# Altium PCB cat.PcbDoc (part 2 of 3) (continued)
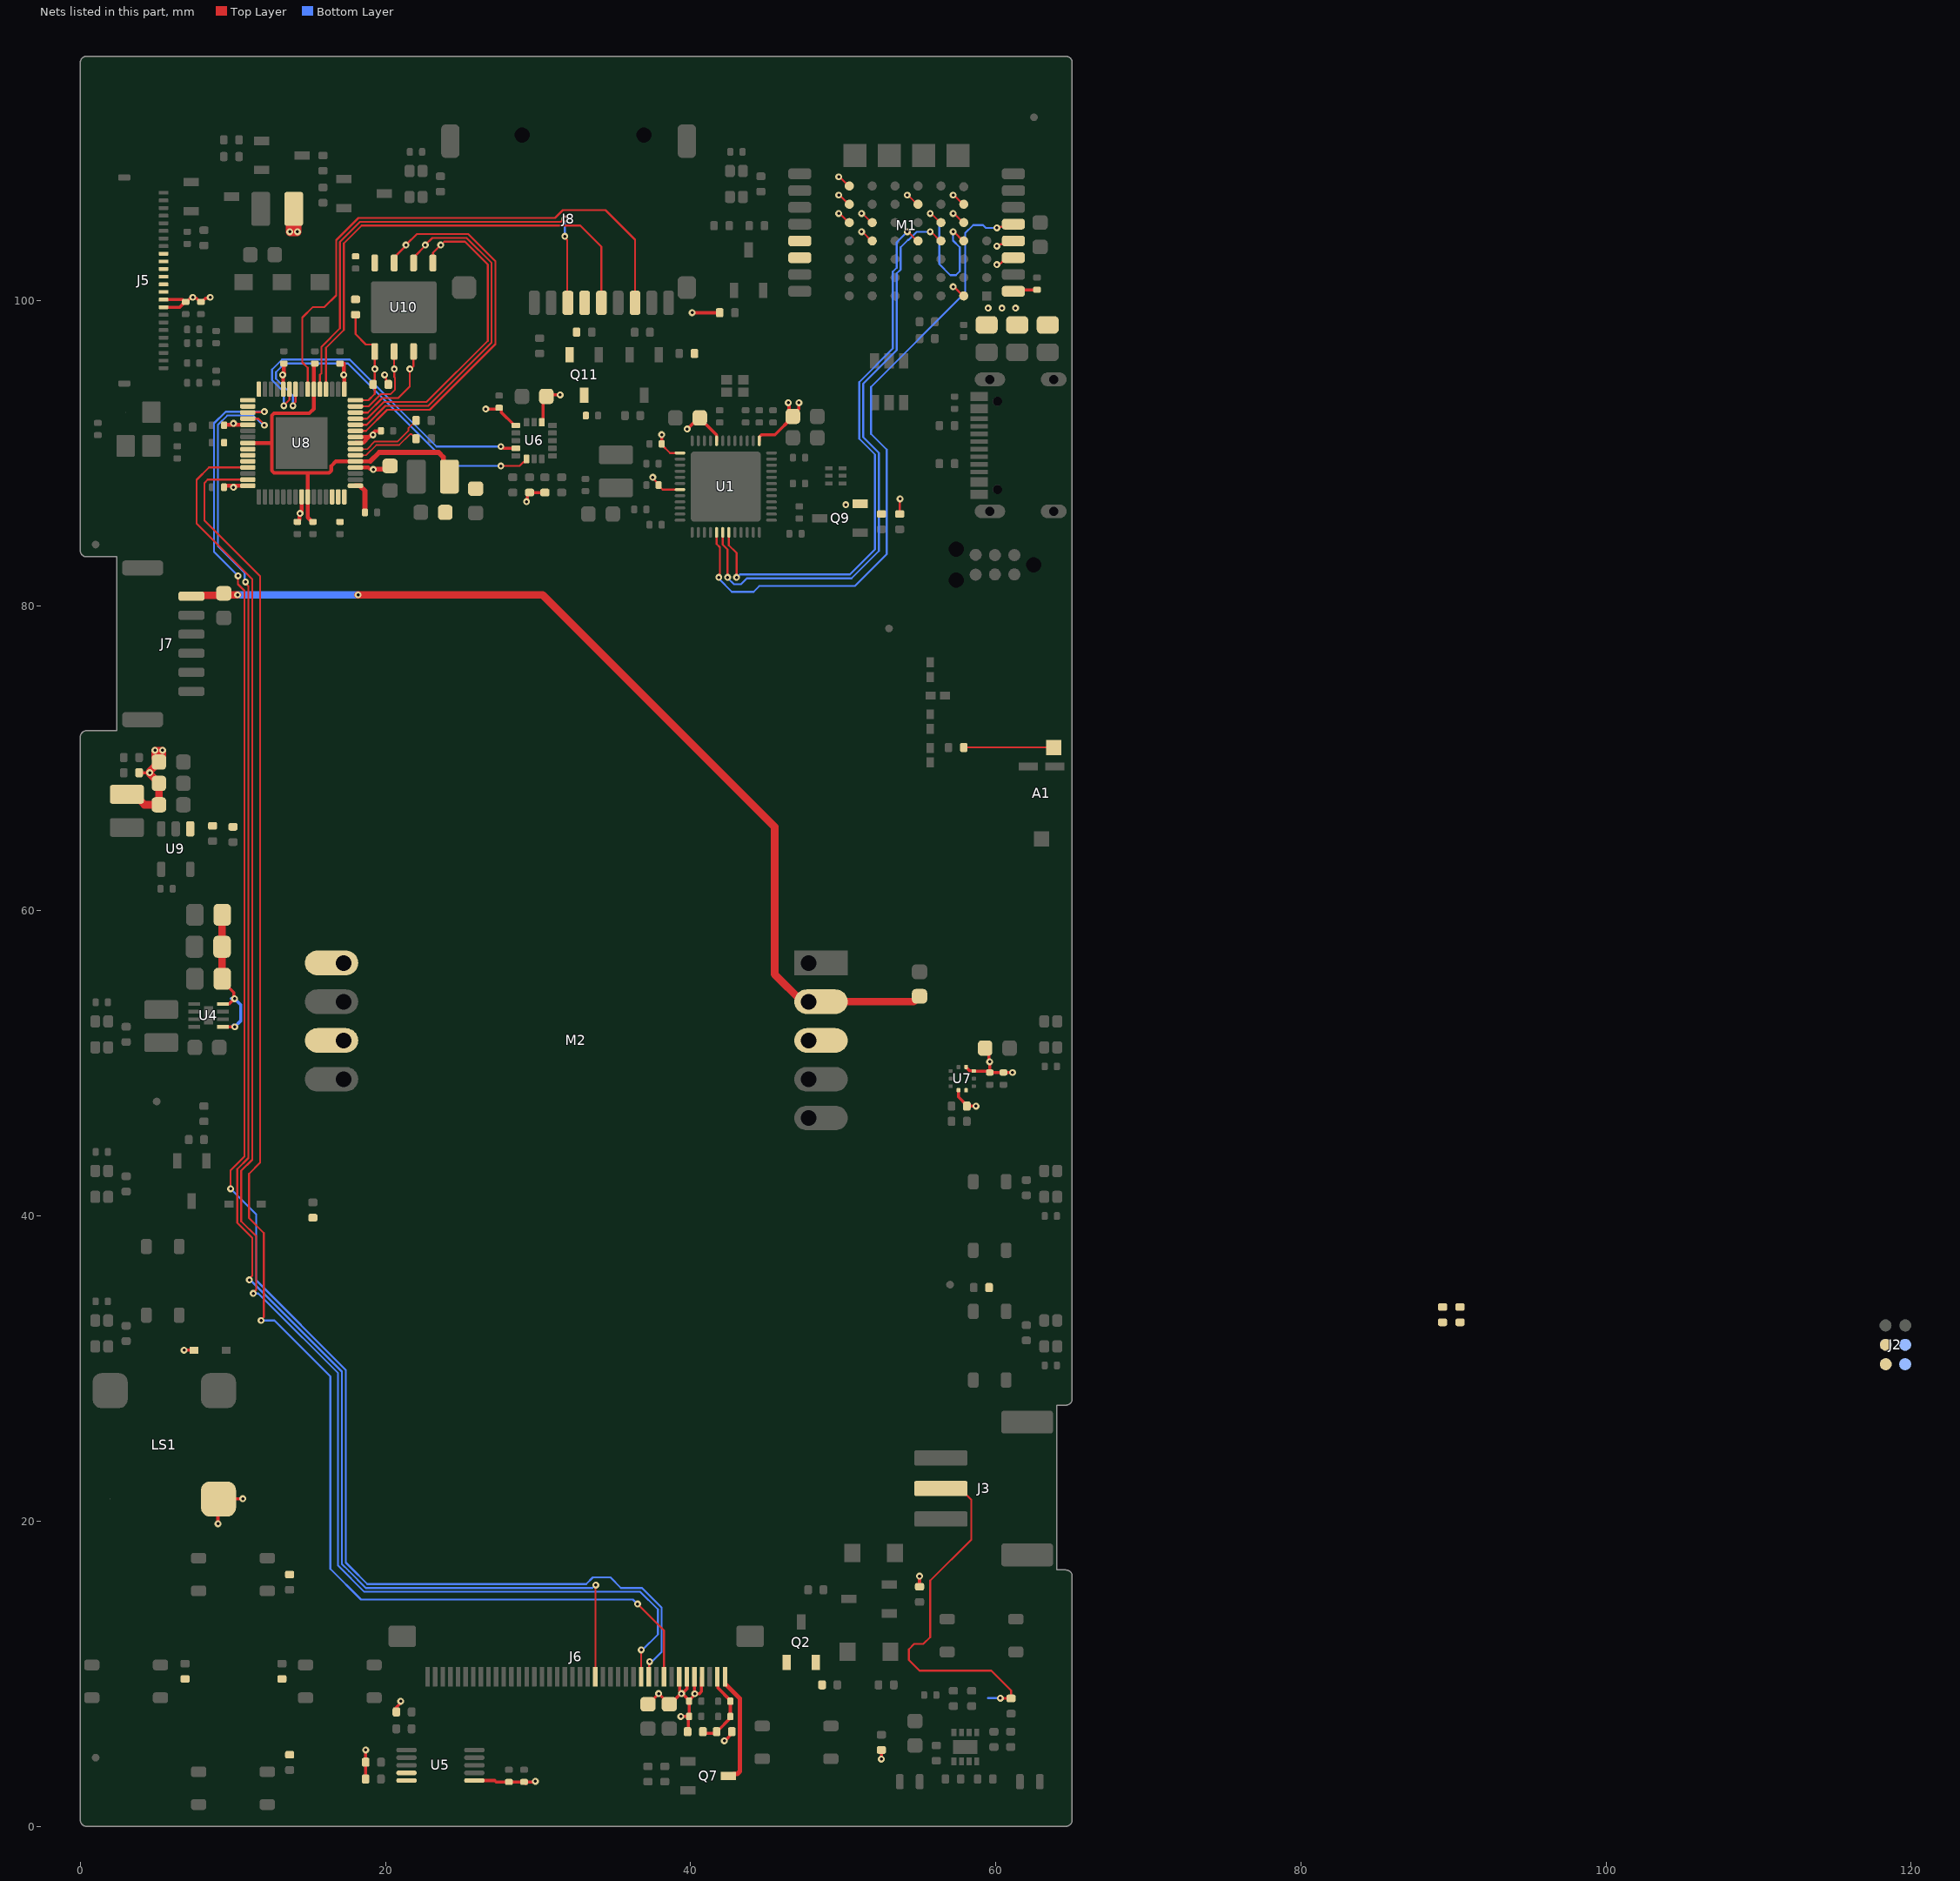
[diagram p4: the nets of this part, all layers, seen from the top]
## Part data (continued)
R43: "442 kΩ, 0402 Chip resistor", Case Code (Imperial)=0402, Case Code (Metric)=1005, Manufacturer=Yageo, Max Operating Temperature=155°C, Max Power Dissipation=63mW, Min Operating Temperature=-55°C, Package Quantity=1, Power Rating=62.5mW, Supplier Part Number 1=1075035, Temperature Coefficient=100ppm/°C, Tolerance=1%, Voltage Rating=50V, Case/Package=0402, Category="Chip SMD Resistors", ComponentLink1Description=https://datasheet.ciiva.com/2453/pyu-r-int-thick-7-2453668.pdf?src-supplier=Digikey, ComponentLink1URL=https://datasheet.ciiva.com/2453/pyu-r-int-thick-7-2453668.pdf?src-supplier=Digikey, ComponentLink2Description=https://datasheet.ciiva.com/2453/pyu-r-int-thick-7-2453667.pdf?src-supplier=Digikey, ComponentLink2URL=https://datasheet.ciiva.com/2453/pyu-r-int-thick-7-2453667.pdf?src-supplier=Digikey, ComponentLink3Description=https://datasheet.ciiva.com/2453/pyu-r-int-thick-7-2453669.pdf?src-supplier=Digikey, ComponentLink3URL=https://datasheet.ciiva.com/2453/pyu-r-int-thick-7-2453669.pdf?src-supplier=Digikey, ComponentLink4Description=https://datasheet.ciiva.com/8885/pyu-rc0402-51-rohs-l-6-8885693.pdf?src-supplier=Avnet, ComponentLink4URL=https://datasheet.ciiva.com/8885/pyu-rc0402-51-rohs-l-6-8885693.pdf?src-supplier=Avnet, Construction=Rectangular, Contact Plating=Tin,Lead, Depth=0.5mm, Features="Moisture Resistant", Height=0.016inch, house_part_number=R-442k-0402-1%-001, Length=1mm, Manufacturer Part Number=RC0402FR-07442KL, Military Standard=Not, Number of Terminations=2, Packaging="Tape and Reel", Pricing="10000=0.0012, 50000=0.0011, 250000=0.001, 500000=0.001, 1500000=0.0009 (USD)", RoHS=Yes, RoHS Compliant=Yes, Series=RC, Stock=40000, Supplier 1="Future Electronics", Termination=SMD/SMT, Voltage Rating (DC)=50V, Width=0.02inch
R55: "10 kΩ, 0402 Chip resistor", Case Code (Imperial)=0402, Case Code (Metric)=1005, Manufacturer="Stackpole Electronics", Max Operating Temperature=155°C, Max Power Dissipation=63mW, Min Operating Temperature=-55°C, Power Rating=62.5mW, Resistance=10kΩ, Resistor Type="Thick Film", Supplier Part Number 1=RMCF0402FT10K0CT-ND, Temperature Coefficient=100ppm/°C, Tolerance=1%, Case/Package=0402, Category="Chip SMD Resistors", ComponentLink1Description=https://datasheet.ciiva.com/24341/sei-rmcp-24341800.pdf?src-supplier=Onlinecomponents.com, ComponentLink1URL=https://datasheet.ciiva.com/24341/sei-rmcp-24341800.pdf?src-supplier=Onlinecomponents.com, Construction=Rectangular, Contact Plating=Tin,Matte, Depth=0.5mm, Features="Automotive AEC-Q200", Height=0.016inch, house_part_number=R-10k-0402-1%-001, Lead Free="Lead Free", Length=1mm, Manufacturer Part Number=RMCF0402FT10K0, Military Standard=Not, Mount="Surface Mount", Number of Terminations=2, Packaging="Tape and Reel", Pricing 1="1=0.10000, 10=0.01300, 100=0.00530, 1000=0.00239, 2500=0.00207, 5000=0.00171 (USD)", Radiation Hardening=No, RoHS=Yes, RoHS Compliant=Yes, Series=RMCF, Size Code=0402, Stock 1=7219214, Supplier 1=Digi-Key, Width=0.02inch
SAW1: library part LFD182G45DCJD247, "Murata Manufacturing Co., Ltd. SMD", Manufacturer=Murata, Supplier Part Number=81-LFD182G45DCJD247, Category=LDO, Manufacturer Part Number=LFD182G45DCJD247, Pricing="1=0.47, 10=0.332, 50=0.332, 100=0.308, 1000=0.217, 10000=0.192 (USD)", RoHS=No, Stock=11421, Supplier=Mouser
SW1 SW2 SW3 SW4 SW5 SW6 SW7 SW8 SW9: library part PTS815SJK250SMTRLFS, "Surface Mount Tactile Switch, Momentary SPST-NO 50mA 12VDC, 250gf, 4.2x3.2mm", Contact Resistance=100mR, Manufacturer="ITT C&K", Max Operating Temperature=70°C, Min Operating Temperature=-20°C, Operating Force=250gf, Ratings=IP40, Supplier Part Number=CKN12216-1-ND, Category="Tactile Switches", ComponentLink1Description=http://datasheet.octopart.com/PTS815SJK250SMTRLFS-C%26K-Components-datasheet-130077068.pdf?src-supplier=Digikey, ComponentLink1URL=http://datasheet.octopart.com/PTS815SJK250SMTRLFS-C%26K-Components-datasheet-130077068.pdf?src-supplier=Digikey, ComponentLink2Description=http://datasheet.octopart.com/PTS815SJK250SMTRLFS-C%26K-Components-datasheet-130077068.pdf?src-supplier=Newark, ComponentLink2URL=http://datasheet.octopart.com/PTS815SJK250SMTRLFS-C%26K-Components-datasheet-130077068.pdf?src-supplier=Newark, ComponentLink3Description=http://datasheet.octopart.com/PTS815SJK250SMTRLFS-C%26K-Components-datasheet-130077068.pdf?src-supplier=Mouser, ComponentLink3URL=http://datasheet.octopart.com/PTS815SJK250SMTRLFS-C%26K-Components-datasheet-130077068.pdf?src-supplier=Mouser, ComponentLink4Description=http://datasheet.octopart.com/PTS815SJK250SMTRLFS-C%26K-Components-datasheet-130077068.pdf?src-supplier=Verical, ComponentLink4URL=http://datasheet.octopart.com/PTS815SJK250SMTRLFS-C%26K-Components-datasheet-130077068.pdf?src-supplier=Verical, ComponentLink5Description=http://datasheet.octopart.com/PTS815SJK250SMTRLFS-C%26K-Components-datasheet-130077068.pdf?src-supplier=Future+Electronics, ComponentLink5URL=http://datasheet.octopart.com/PTS815SJK250SMTRLFS-C%26K-Components-datasheet-130077068.pdf?src-supplier=Future+Electronics, ComponentLink6Description=http://datasheet.octopart.com/PTS815SJK250SMTRLFS-C%26K-Components-datasheet-130077068.pdf?src-supplier=Onlinecomponents.com, ComponentLink6URL=http://datasheet.octopart.com/PTS815SJK250SMTRLFS-C%26K-Components-datasheet-130077068.pdf?src-supplier=Onlinecomponents.com, ComponentLink7Description=http://datasheet.octopart.com/PTS815SJK250SMTRLFS-C%26K-Components-datasheet-130077068.pdf?src-supplier=Avnet, ComponentLink7URL=http://datasheet.octopart.com/PTS815SJK250SMTRLFS-C%26K-Components-datasheet-130077068.pdf?src-supplier=Avnet, ComponentLink8Description=http://datasheet.octopart.com/PTS815SJK250SMTRLFS-C%26K-Components-datasheet-130077068.pdf?src-supplier=Allied+Electronics, ComponentLink8URL=http://datasheet.octopart.com/PTS815SJK250SMTRLFS-C%26K-Components-datasheet-130077068.pdf?src-supplier=Allied+Electronics, ComponentLink9Description=http://datasheet.octopart.com/PTS815SJK250SMTRLFS-C%26K-Components-datasheet-130077068.pdf?src-supplier=Electro+Sonic, ComponentLink9URL=http://datasheet.octopart.com/PTS815SJK250SMTRLFS-C%26K-Components-datasheet-130077068.pdf?src-supplier=Electro+Sonic, ComponentLink10Description=http://datasheet.octopart.com/PTS815SJK250SMTRLFS-C%26K-Components-datasheet-130077068.pdf?src-supplier=NAC+Semi, ComponentLink10URL=http://datasheet.octopart.com/PTS815SJK250SMTRLFS-C%26K-Components-datasheet-130077068.pdf?src-supplier=NAC+Semi, ComponentLink11Description=http://datasheet.octopart.com/PTS815SJK250SMTRLFS-C%26K-Components-datasheet-130077068.pdf?src-supplier=LCSC, ComponentLink11URL=http://datasheet.octopart.com/PTS815SJK250SMTRLFS-C%26K-Components-datasheet-130077068.pdf?src-supplier=LCSC, ComponentLink12Description=http://datasheet.octopart.com/PTS815SJK250SMTRLFS-C%26K-Components-datasheet-130077068.pdf?src-supplier=TTI, ComponentLink12URL=http://datasheet.octopart.com/PTS815SJK250SMTRLFS-C%26K-Components-datasheet-130077068.pdf?src-supplier=TTI, ComponentLink13Description=http://datasheet.octopart.com/PTS815SJK250SMTRLFS-C%26K-Components-datasheet-130077068.pdf?src-supplier=Sager+Electronics, ComponentLink13URL=http://datasheet.octopart.com/PTS815SJK250SMTRLFS-C%26K-Components-datasheet-130077068.pdf?src-supplier=Sager+Electronics, ComponentLink14Description=https://datasheet.octopart.com/PTS815SJK250SMTRLFS-C%26K-Components-datasheet-166147782.pdf?src-supplier=TME, ComponentLink14URL=https://datasheet.octopart.com/PTS815SJK250SMTRLFS-C%26K-Components-datasheet-166147782.pdf?src-supplier=TME, Illumination Type=Non-Illuminated, Manufacturer Part Number=PTS815SJK250SMTRLFS, Mechanical Life=50000Cycles, Mounting Technology="Surface Mount", Number of Positions=2NUMBER, Packaging="Cut Tape", Pricing="1=0.26, 10=0.209, 25=0.1928, 100=0.1701, 250=0.1564, 500=0.14674, 1000=0.13758 (USD)", RoHS=Yes, Series=PTS815, Stock=20870, Supplier=Digikey, Switch Function=Off-Mom, Switch Travel=0.2mm, Throw Configuration=SPST
U1: library part NRF7002-QFAA-R, "Wi-Fi 6 Module IEEE 802.11a/b/g/n/ac/ax DSSS/CCK/HT 2.4GHz/5GHz 86Mbps 48-Pin QFN EP T/R", Manufacturer="Nordic Semiconductor", Supplier Part Number=70AK6756, Manufacturer Part Number=NRF7002-QFAA-R, Pricing="1=5.13, 10=4.94, 25=4.75, 50=4.56, 100=4.37, 250=4.09, 500=3.8, 1000=3.47 (USD)", RoHS=No, Stock=8361, Supplier=Newark
U2: library part SRV05-4A, "TVS DIODE ARRAY SOT23-6", Breakdown Voltage=6V, Capacitance=3.5pF, Case/Package=SOT-23-6, Clamping Voltage=17V, Leakage Current=150nA, Manufacturer="SMC Diodes", Max Operating Temperature=125°C, Min Operating Temperature=-40°C, Operating Supply Voltage=1.1V, Package Quantity=3000, Peak Pulse Current=5A, Power Line Protection=Yes, Reverse Standoff Voltage=5.25V, Supplier Part Number 1=C260410, Test Current=1mA, Working Voltage=5V, Category="TVS Diodes", Clamping Voltage-Max=17V, ComponentLink1Description=https://datasheet.ciiva.com/1268/1690354-1268384.pdf?src-supplier=Element14, ComponentLink1URL=https://datasheet.ciiva.com/1268/1690354-1268384.pdf?src-supplier=Element14, ComponentLink2Description=https://datasheet.ciiva.com/4508/cd00050750-113117-4508433.pdf?src-supplier=Mouser, ComponentLink2URL=https://datasheet.ciiva.com/4508/cd00050750-113117-4508433.pdf?src-supplier=Mouser, ComponentLink3Description=https://datasheet.ciiva.com/15143/getdatasheetpartid-148465-15143789.pdf?src-supplier=Verical, ComponentLink3URL=https://datasheet.ciiva.com/15143/getdatasheetpartid-148465-15143789.pdf?src-supplier=Verical, ComponentLink4Description=https://datasheet.ciiva.com/16200/cd00050750-16200026.pdf?src-supplier=Future+Electronics, ComponentLink4URL=https://datasheet.ciiva.com/16200/cd00050750-16200026.pdf?src-supplier=Future+Electronics, ComponentLink5Description=https://datasheet.ciiva.com/41444/001184109-da-01-en-ic-esd-protecti-usblc6-2sc6-sot-23-6-stm-41444156.pdf?src-supplier=Conrad, ComponentLink5URL=https://datasheet.ciiva.com/41444/001184109-da-01-en-ic-esd-protecti-usblc6-2sc6-sot-23-6-stm-41444156.pdf?src-supplier=Conrad, Contact Plating=Tin,Matte, Data Rate=480Mbps, Depth=1.75mm, Direction=Unidirectional,Bidirectional, Element Configuration=Dual, ESD Protection=Yes, Height=1.3mm, house_part_number=SRV05-4A, Lead Free="Lead Free", Length=3.05mm, Manufacturer Part Number=SRV05-4A, Max Breakdown Voltage=6V, Max Reverse Leakage Current=150nA, Min Breakdown Voltage=6V, Mount="Surface Mount", Number of Bidirectional Channels=2, Number of Channels=2, Number of Elements=1, Number of Pins=6, Packaging="Tape and Reel", Polarity=Unidirectional,Bidirectional, Pricing="3000=0,05640 (USD)", Radiation Hardening=No, REACH SVHC="No SVHC", Reverse Breakdown Voltage=6V, RoHS=Yes, RoHS Compliant=Yes, Series=USB, Stock=12000, Supplier 1=LCSC, Termination=SMD/SMT, Width=1.75mm
U3: library part LGS4056H, "Battery Charger, DFN-8(2x2)", Case/Package=DFN-8(2x2), Manufacturer Part Number=LGS4056HDA, Package=DFN-8, Supplier Part Number 1=C5124109, house_part_number=LGS4056HDA, Supplier 1=LCSC
U4: library part MIC2876-5.0YMT-TR, "5V Synchronous Boost, UDFN-8", Case/Package=UDFN-8, Manufacturer=Microchip, Max Operating Temperature=125°C, Max Supply Voltage=5.5V, Min Input Voltage=2.5V, Min Operating Temperature=-40°C, Min Output Voltage=5V, Output Current=3.8A, Supplier Part Number=150-MIC2876-5.0YMT-TRCT-ND, Switching Frequency=2MHz, Category="Voltage Regulators - Switching", ComponentLink1Description=http://www.microchip.com/mymicrochip/filehandler.aspx?ddocname=en580787&src-supplier=Digikey, ComponentLink1URL=http://www.microchip.com/mymicrochip/filehandler.aspx?ddocname=en580787&src-supplier=Digikey, ComponentLink2Description=https://datasheet.octopart.com/MIC2876-5.0YMT-TR-Microchip-datasheet-175858781.pdf?src-supplier=Electro+Sonic, ComponentLink2URL=https://datasheet.octopart.com/MIC2876-5.0YMT-TR-Microchip-datasheet-175858781.pdf?src-supplier=Electro+Sonic, ComponentLink3Description=https://datasheet.octopart.com/MIC2876-5.0YMT-TR-Microchip-datasheet-175858781.pdf?src-supplier=microchipDIRECT, ComponentLink3URL=https://datasheet.octopart.com/MIC2876-5.0YMT-TR-Microchip-datasheet-175858781.pdf?src-supplier=microchipDIRECT, ComponentLink4Description=https://datasheet.octopart.com/MIC2876-5.0YMT-TR-Microchip-datasheet-175858781.pdf?src-supplier=Master+Electronics, ComponentLink4URL=https://datasheet.octopart.com/MIC2876-5.0YMT-TR-Microchip-datasheet-175858781.pdf?src-supplier=Master+Electronics, ComponentLink5Description=https://datasheet.octopart.com/MIC2876-5.0YMT-TR-Microchip-datasheet-86810323.pdf?src-supplier=SHENGYU+ELECTRONICS, ComponentLink5URL=https://datasheet.octopart.com/MIC2876-5.0YMT-TR-Microchip-datasheet-86810323.pdf?src-supplier=SHENGYU+ELECTRONICS, ComponentLink6Description=https://datasheet.octopart.com/MIC2876-5.0YMT-TR-Microchip-datasheet-142675560.pdf?src-supplier=TME, ComponentLink6URL=https://datasheet.octopart.com/MIC2876-5.0YMT-TR-Microchip-datasheet-142675560.pdf?src-supplier=TME, Manufacturer Part Number=MIC2876-5.0YMT-TR, Mounting Technology="Surface Mount", Number of Outputs=1, Output Configuration=Positive, Output Type=Fixed, Packaging="Tape and Reel", Pricing="1=0.97, 25=0.8, 100=0.73, 5000=0.73 (USD)", RoHS=Yes, RoHS Compliant=Yes, Series=-, Stock=6514, Supplier=Digikey, Synchronous Rectifier=No, Topology=Boost
U5: library part NS2009, Case/Package=MSOP-10, Manufacturer=NSIWAY, Supplier Part Number 1=C219024, house_part_number=NS2009, Manufacturer Part Number=NS2009, Supplier 1=LCSC
U6: library part LIS3DHTR, "3-Axis accelerometer, 16-bit, I2C/SPI, LGA-16", Case/Package=LGA-16, Manufacturer=STMicroelectronics, Max Operating Temperature=85°C, Max Supply Voltage=3.6V, Min Operating Temperature=-40°C, Min Supply Voltage=1.71V, Operating Supply Current=11uA, Operating Supply Voltage=2.5V, Package Quantity=4000, Supplier Part Number 1=C15134, Axis="X, Y, Z", Bandwidth=5kHz, Category=Accelerometers, ComponentLink1Description=https://datasheet.ciiva.com/7621/1718591-7621744.pdf?src-supplier=Element14, ComponentLink1URL=https://datasheet.ciiva.com/7621/1718591-7621744.pdf?src-supplier=Element14, ComponentLink2Description=https://datasheet.ciiva.com/5296/cd00274221-117431-5296513.pdf?src-supplier=Mouser, ComponentLink2URL=https://datasheet.ciiva.com/5296/cd00274221-117431-5296513.pdf?src-supplier=Mouser, ComponentLink3Description=https://datasheet.ciiva.com/2810/cd00274221-2810009.pdf?src-supplier=Digikey, ComponentLink3URL=https://datasheet.ciiva.com/2810/cd00274221-2810009.pdf?src-supplier=Digikey, ComponentLink4Description=https://datasheet.ciiva.com/2810/cd00274221-2810008.pdf?src-supplier=Digikey, ComponentLink4URL=https://datasheet.ciiva.com/2810/cd00274221-2810008.pdf?src-supplier=Digikey, ComponentLink5Description=https://datasheet.ciiva.com/2810/cd00274221-2810010.pdf?src-supplier=Digikey, ComponentLink5URL=https://datasheet.ciiva.com/2810/cd00274221-2810010.pdf?src-supplier=Digikey, ComponentLink6Description=https://datasheet.ciiva.com/48495/cd00274221-48495849.pdf?src-supplier=Avnet, ComponentLink6URL=https://datasheet.ciiva.com/48495/cd00274221-48495849.pdf?src-supplier=Avnet, ComponentLink7Description=https://datasheet.ciiva.com/3271/cd00274221-3271807.pdf?src-supplier=Avnet, ComponentLink7URL=https://datasheet.ciiva.com/3271/cd00274221-3271807.pdf?src-supplier=Avnet, ComponentLink8Description=https://datasheet.ciiva.com/16216/cd00274221-16216362.pdf?src-supplier=Future+Electronics, ComponentLink8URL=https://datasheet.ciiva.com/16216/cd00274221-16216362.pdf?src-supplier=Future+Electronics, Depth=3mm, Height=1mm, house_part_number=LIS3DHTR, Interface=I2C,SPI, Lead Free="Lead Free", Length=3mm, Manufacturer Part Number=LIS3DHTR, Max Supply Voltage (DC)=3.6V, Min Supply Voltage (DC)=1.71V, Output Type=Digital, Packaging="Tape and Reel", Pins=16, Pricing="4000=0.94095, 8000=0.92155, 16000=0.90215 (USD)", Radiation Hardening=No, Reach SVHC Compliant=No, Resolution=16b, RoHS=Yes, RoHS Compliant=Yes, Sensor Type="3 Axis", Series=-, Stock=40000, Supplier=Avnet, Supplier 1=LCSC, Supplier Part Number=LIS3DHTR, Width=3mm
U7: library part LPS22HH, "260-1260 hPa Absolute barometer, LGA-10", Manufacturer=STMicroelectronics, Package=LGA-10, Supplier Part Number 1=C2827824, Category="Pressure Sensors", ComponentLink1Description=https://datasheet.ciiva.com:443/pdfs/VipMasterIC/IC/SGST/SGST-S-A0007383744/SGST-S-A0007383744-1.pdf?src-supplier=IHS+Markit, ComponentLink1URL=https://datasheet.ciiva.com:443/pdfs/VipMasterIC/IC/SGST/SGST-S-A0007383744/SGST-S-A0007383744-1.pdf?src-supplier=IHS+Markit, ComponentLink2Description=http://www.farnell.com/datasheets/2710908.pdf?src-supplier=Farnell, ComponentLink2URL=http://www.farnell.com/datasheets/2710908.pdf?src-supplier=Farnell, ComponentLink3Description=https://www.st.com/resource/en/datasheet/lps22hh.pdf?src-supplier=Digikey, ComponentLink3URL=https://www.st.com/resource/en/datasheet/lps22hh.pdf?src-supplier=Digikey, ComponentLink4Description=https://www.st.com/resource/en/data_brief/lps22hh.pdf?src-supplier=Digikey, ComponentLink4URL=https://www.st.com/resource/en/data_brief/lps22hh.pdf?src-supplier=Digikey, ComponentLink5Description=http://www.farnell.com/datasheets/2710908.pdf?src-supplier=Newark, ComponentLink5URL=http://www.farnell.com/datasheets/2710908.pdf?src-supplier=Newark, Manufacturer Part Number=LPS22HH, Pricing 1="1=1.0244, 10=0.8712, 30=0.7877, 100=0.5824, 500=0.546, 1000=0.5304 (USD)", Reach SVHC Compliant=Yes, RoHS=Yes, RoHS Compliant=Yes, Sensor Type="PRESSURE SENSOR,PEIZORESISTIVE", Stock 1=7641, Supplier 1=LCSC
U8: library part RP2350-A, "Microcontroller, QFN-60", Case/Package=QFN60, Manufacturer="Raspberry Pi", Package=QFN-60, house_part_number=RP2350-A, Manufacturer Part Number=RP2350-A
U9: library part TLV62569DBVR, "Buck converter, 2.5-5.5 Vin, 0.6 - 5.5 Vout, 2A, SOT-23-5", Case/Package=SOT-23-5, Manufacturer="Texas Instruments", Max Operating Temperature=125°C, Max Output Voltage=5.5V, Min Input Voltage=2.5V, Min Operating Temperature=-40°C, Min Output Voltage=600mV, Output Current=2A, Supplier Part Number=595-TLV62569DBVR, Supplier Part Number 1=C141836, Switching Frequency=1.5MHz, Category="Voltage Regulators - Switching", ComponentLink1Description=http://www.ti.com/lit/ds/symlink/tlv62569.pdf?src-supplier=Digikey, ComponentLink1URL=http://www.ti.com/lit/ds/symlink/tlv62569.pdf?src-supplier=Digikey, ComponentLink2Description=http://www.ti.com/lit/ds/symlink/tlv62569.pdf?src-supplier=Farnell, ComponentLink2URL=http://www.ti.com/lit/ds/symlink/tlv62569.pdf?src-supplier=Farnell, house_part_number=TLV62569DBVR, Manufacturer Part Number=TLV62569DBVR, Max Supply Voltage=5.5V, Mounting Technology="Surface Mount", Output Configuration=Positive, Output Type=Adjustable, Packaging="Cut Tape", Pricing="1=0.45, 10=0.344, 50=0.344, 100=0.214, 1000=0.113, 10000=0.087 (USD)", RoHS=Yes, RoHS Compliant=Yes, Series=-, Stock=12579, Supplier=Mouser, Supplier 1=LCSC, Synchronous Rectifier=Yes
U10: library part W25Q128JVPIM, "128Mb SPI flash memory", Case/Package=WDFN-8, Frequency=133MHz, Manufacturer=Winbond, Max Operating Temperature=85°C, Min Operating Temperature=-40°C, Supplier Part Number=W25Q128JVPIM-ND, Category=Flash, ComponentLink1Description=http://www.winbond.com/resource-files/w25q128jv%20revf%2003272018%20plus.pdf?src-supplier=Digikey, ComponentLink1URL=http://www.winbond.com/resource-files/w25q128jv%20revf%2003272018%20plus.pdf?src-supplier=Digikey, ComponentLink2Description=https://datasheet.octopart.com/W25Q128JVPIQ-Winbond-datasheet-151870813.pdf?src-supplier=TECHDesign, ComponentLink2URL=https://datasheet.octopart.com/W25Q128JVPIQ-Winbond-datasheet-151870813.pdf?src-supplier=TECHDesign, Manufacturer Part Number=W25Q128JVPIM, Memory Format=Non-Volatile,FLASH, Memory Size=128Mb, Mounting Technology="Surface Mount", Packaging=Rail/Tube, Pricing="1=1.86, 10=1.328, 25=1.1948, 50=1.115, 100=1.049, 300=0.9675, 500=0.95002 (USD)", RoHS=Yes, RoHS Compliant=Yes, Series=SpiFlash®, Supplier=Digikey
X2: library part Q40,0-JXS11-8-10/10-FU-LF, "Crystal 40.0000MHZ 8PF SMD", Manufacturer=Jauch, Supplier Part Number=1908-Q400-JXS11-8-10/10-FU-LFCT-ND, Manufacturer Part Number=Q40,0-JXS11-8-10/10-FU-LF, Pricing="1=0.79, 10=0.68, 50=0.6134, 100=0.5867, 500=0.52924, 1000=0.40109, 2000=0.3838, 3000=0.37405, 5000=0.36214, 7000=0.35452, 10000=0.35375 (USD)", RoHS=No, Stock=7747, Supplier=Digikey
Y1: "12 MHz, 10 ppm, 20 pF, 3225 Crystal", Case/Package=3225, Supplier Part Number 1=C133334, ESR=50Ω, house_part_number=TAXM12M4RLBDDT2T, Manufacturer Part Number=TAXM12M4RLBDDT2T, Supplier 1=LCSC

## Via types
v1: diameter 0.45, hole 0.2, Top Layer to Bottom Layer, tented both sides, 222 vias
v2: diameter 0.5, hole 0.2, Top Layer to Bottom Layer, 9 vias

## Nets (pads, with @x,y where several pads share a name; then routed paths per layer and width w, separated by ;. In a path a pad name is that pad's centre, name@x,y a point inside that pad or via, vN(x,y) a via of type N, cw(c..) or ccw(c..) an arc to the next point about the centre after c; other vN are vias at no path point)
3.3V: C8.2 C13.2 C16.2 C23.2 C24.2 C40.2 C42.2 C43.2 C45.2 C46.2 C47.2 C48.2 C50.2 C52.2 C69.2 C70.2 D9.K J5.15 J5.16 L4.1 L8.2 LS1.+ M2.3 M2.9 Q11.2 R8.1 R9.1 R37.2 R38.1 R43.2 R45.2 U1.13 U1.20 U1.25 U1.31 U5.1 U6.1 U6.14 U7.1 U7.6 U7.10 | length 53
  Top Layer w0.127: v1(37.515,88.409) 37.515,88.355 37.9,87.97 C48.2@37.9,87.9 37.9,87.87 38.17,87.6 U1.31@39.3,87.6 ; C52.2@38.1,90.6 38.1,90.55 38.65,90 U1.25@39.3,90
  Top Layer w0.2: R43.2@3.849,69.046 v1(4.549,69.046) ; J5.16@5.45,99.557 6.507,99.557 6.85,99.9 6.693,100.057 J5.15@5.45,100.057 ; v1(6.8,31.2) D9.K@7.445,31.2 ; C23.2@6.9,99.9 6.95,99.9 7.205,100.155 7.318,100.155 v1(7.366,100.203) 7.414,100.155 7.595,100.155 7.85,99.9 7.95,99.9 8.205,100.155 8.461,100.155 v1(8.509,100.203) ; v1(26.571,92.885) 27.369,92.885 27.552,92.885 27.575,92.862 27.575,92.679 28.442,91.812 U6.1@28.542,91.812 ; U6.14@30.242,92.012 30.317,92.087 30.317,93.487 C42.2@30.542,93.712 30.642,93.812 v1(31.442,93.812) ; U7.6@57.525,48.215 U7.6@57.55,48.24 ; U7.1@58.05,49.76 58.05,49.748 58.272,49.525 58.535,49.525 U7.10@58.56,49.5 58.585,49.475 59.525,49.475 C47.2@59.6,49.4 v1(59.6,50.1) 59.552,50.148 59.552,50.748 C45.2@59.3,51 ; R38.1@58.125,47.225 R38.1@58.1,47.2 v1(58.7,47.2) ; C45.2@59.1,51.2 C45.2@59.3,51.4 ; C47.2@59.656,49.406 60.494,49.406 C46.2@60.5,49.4 ; C46.2@60.506,49.4 v1(61.1,49.4)
  Top Layer w0.203: C69.2@5.149,68.346 C69.2@5.149,68.359 ; v1@9.016,19.834 9.016,21.416 9.066,21.466 v1@10.631,21.466 ; R9.1@18.7,3.1 R8.1@18.7,4.2 v1(18.7,5) ; U5.1@25.825,3 27.15,3 27.248,2.902 C13.2@28.083,2.902 C13.2@28.083,2.902 28.501,2.903 28.502,2.902 C16.2@29.083,2.902 ; C16.2@29.181,2.778 29.301,2.898 29.774,2.898 v1(29.821,2.945) ; C52.2@38.1,90.6 v1(38.1,91.2) ; v1(39.775,91.57) 40.504,92.3 C50.2@40.6,92.3 40.6,92.275 41.7,91.175 U1.20@41.7,90.8 ; v1(40.1,99.192) R37.2@41.9,99.192 ; U1.13@44.5,90.8 44.5,91.048 44.652,91.2 45.525,91.2 46.7,92.375 C8.2@46.7,92.4 ; v1(46.4,93.3) 46.447,93.253 46.447,92.653 C8.2@46.7,92.4 ; v1(47.1,93.3) 47.1,92.899 46.7,92.499 C8.2@46.7,92.4 ; U7.6@57.55,48.24 57.55,47.798 58.1,47.248 R38.1@58.1,47.2
  Top Layer w0.5: L8.2@3.049,67.631 3.544,67.631 3.909,67.266 3.909,67.239 4.202,66.946 C70.2@5.149,66.946 ; v1@4.914,70.494 4.914,70.006 5.149,69.771 5.37,69.992 v1@5.37,70.493 ; v1@4.921,70.499 v1@5.363,70.499 ; C69.2@5.149,68.346 C70.2@5.149,66.946 ; C69.2@5.149,68.359 5.149,68.371 4.549,68.971 v1(4.549,69.046) 4.549,69.146 C40.2@5.149,69.746 ; C70.2@5.29,66.946 C70.2@5.149,66.946
  Top Layer w0.55: L4.1@13.727,105.742 v1(13.727,104.497) v1(14.227,104.497) L4.1@14.227,105.758
  other v1: 9.025,19.825 10.649,21.466 4.892,70.516 5.392,70.516
3.3V_nRF: C2.1 C3.2 C6.2 C7.2 M1.9 Q2.1 Q9.2 R46.2 R61.1 | length 1.6
  Top Layer w0.203: M1.9@61.15,100.599 61.234,100.684 62.684,100.684 C2.1@62.7,100.7
  other v1: 50.165,86.614 59.5,99.5 60.4,99.5 61.3,99.5
2350_3.3V: C25.2 C26.2 C29.2 C30.2 C71.2 C72.2 C73.2 C74.2 C76.2 C78.2 C80.2 C82.2 C83.2 C85.2 C86.2 J6.34 J6.35 J6.36 J6.37 J8.4 JP1.1 JP12.1 JP14.1 Q11.3 R1.1 R2.1 R3.1 R4.1 R33.2 R34.2 R50.1 R51.1 R55.1 R58.1 R59.1 R60.1 U8.1 U8.11 U8.20 U8.30 U8.38 U8.44 U8.45 U8.46 U8.49 U8.53 U8.54 U10.8 | length 32.4
  Top Layer w0.2: v1(29.242,86.812) 29.242,86.88 29.303,86.941 29.303,87.31 29.406,87.412 JP12.1@29.442,87.412 JP14.1@30.442,87.412 ; v1(42.205,5.596) 42.232,5.596 42.7,6.064 R33.2@42.7,6.1 ; v1(52.5,4.4) R1.1@52.5,5
  Top Layer w0.203: JP1.1@20.684,7.768 21,8.084 v1(21,8.2) ; C26.2@37.2,8 37.213,8 v1@37.9,8.687 ; v1@37.9,8.767 v1(37.9,8.7) v1@37.9,8.688 ; J6.34@39.25,9.8 39.276,9.774 39.276,8.872 39.344,8.805 39.344,8.756 v1(39.4,8.7) 39.45,8.7 C29.2@39.9,8.25 ; v1@39.334,8.69 39.334,8.671 38.663,8 C25.2@38.6,8 38.588,8 v1@37.9,8.688 ; v1(39.35,7.2) C30.2@39.9,7.2 ; v1@39.457,8.7 39.75,8.993 J6.35@39.75,9.8 ; R34.2@39.8,6.1 39.85,6.15 39.85,7.15 C30.2@39.9,7.2 ; J6.36@40.25,9.8 40.256,9.794 40.256,8.694 v1(40.262,8.688) 40.215,8.64 40.215,8.565 C29.2@39.9,8.25 ; v1@40.284,8.666 40.319,8.701 40.58,8.701 40.705,8.826 40.705,9.755 J6.37@40.75,9.8 ; R2.1@55,15.7 v1(55,16.4) ; C30.2@39.9,7.2 C29.2@39.9,8.2 C29.2@39.9,8.25
  Top Layer w0.24: C80.2@9.417,87.757 9.417,87.774 9.497,87.854 U8.30@10.975,87.854 ; C78.2@9.417,91.821 9.447,91.851 10.972,91.851 U8.20@10.975,91.854 ; v1(13.259,95.123) v1@13.297,95.161 ; U8.11@13.3,94.179 13.297,94.182 v1@13.297,95.161 ; C76.2@13.335,95.866 13.335,95.25 13.297,95.212 v1@13.297,95.161 ; v1@13.361,95.224 v1@13.297,95.161 ; C82.2@14.224,85.49 14.274,85.49 14.354,85.57 14.354,85.62 14.359,85.625 14.359,86 v1(14.399,86.04) 14.399,86.097 14.5,86.198 U8.38@14.5,87.129 ; C74.2@17.265,95.866 v1(17.265,95.123) 17.3,95.088 U8.1@17.3,94.179 ; U8.49@18.025,89.054 18.028,89.057 18.527,89.057 18.531,89.061 18.869,89.061 18.971,88.959 19.155,88.959 v1(19.195,88.918) ; U8.53@18.025,90.654 18.055,90.684 18.548,90.684 18.918,91.054 ; U8.54@18.025,91.054 18.918,91.054 ; C85.2@19.7,91.454 19.681,91.435 19.299,91.435 18.918,91.054
  Top Layer w0.32: U8.46@18.025,87.854 18.318,87.854 18.65,87.522 C73.2@18.65,86.106 ; v1(19.195,88.918) 19.22,88.943 20.089,88.943 C72.2@20.3,89.154
  other v1: 10.033,87.757 19.177,91.186 10.033,91.948
2350_3.3V_EN: M1.Z2 R44.1 | length 0.9
  Top Layer w0.127: v1(49.7,105.7) 49.75,105.7 50.35,105.1 M1.Z2@50.4,105.1
2350_BOOT: M1.Z0 R56.2 | length 1.7
  Top Layer w0.127: v1(19.939,95.123) 19.939,95.036 20.036,94.938 20.036,94.637 R56.2@20.185,94.488 ; v1(49.7,108.1) 49.75,108.1 50.35,107.5 M1.Z0@50.4,107.5
2350_D+: R53.1 U8.52 | length 4.9
  Top Layer w0.105: U8.52@18.025,90.254 18.8,90.254 19.3,90.754 20.8,90.754 21.5,91.454 21.5,91.629 21.649,91.778 21.659,91.778 22,92.118 R53.1@22,92.129
2350_D-: R54.1 U8.51 | length 4.7
  Top Layer w0.105: U8.51@18.025,89.854 18.728,89.854 19.396,90.522 20.896,90.522 21.608,91.234 21.705,91.234 22,90.94 R54.1@22,90.929
2350_MISO: J8.7 M1.E6 U8.7 | length 37.6
  Top Layer w0.127: U8.7@14.9,94.179 14.9,95.59 14.545,95.945 14.545,98.873 15.24,99.568 16.002,99.568 16.764,100.33 16.764,103.948 18.226,105.41 31.115,105.41 31.623,105.918 34.417,105.918 36.35,103.985 J8.7@36.35,99.843 ; v1(57.2,100.9) 57.25,100.9 57.85,100.3 M1.E6@57.9,100.3
2350_MOSI: J8.3 M1.11 U8.5 | length 32.4
  Top Layer w0.127: U8.5@15.7,94.179 15.7,95.124 15.807,95.232 15.807,96.96 17.018,98.171 17.018,103.842 18.332,105.156 31.496,105.156 31.683,105.343 v1(31.75,105.343) ; v1(31.75,104.207) 31.75,104.12 31.914,103.956 31.914,99.879 J8.3@31.95,99.843 ; v1(60.073,102.354) 60.135,102.416 60.306,102.416 60.69,102.799 M1.11@61.15,102.799
  Bottom Layer w0.127: v1(31.75,104.207) v1(31.75,105.343)
2350_R\S\T\: M1.Z1 U8.26 | length 0.9
  Top Layer w0.127: v1(49.7,106.9) 49.75,106.9 50.35,106.3 M1.Z1@50.4,106.3
2350_SCK: J8.5 M1.A3 U8.4 | length 32.6
  Top Layer w0.127: U8.4@16.1,94.179 16.1,96.894 17.272,98.066 17.272,103.737 18.437,104.902 32.766,104.902 34.15,103.518 J8.5@34.15,99.843 ; v1(51.2,104.5) 51.25,104.5 51.85,103.9 M1.A3@51.9,103.9
2350_SCL: R51.2 U5.10 U6.4 U8.10 | length 22.6
  Top Layer w0.127: v1(13.335,93.098) 13.335,93.123 13.7,93.488 U8.10@13.7,94.179
  Top Layer w0.203: v1(27.559,90.424) 27.626,90.424 27.745,90.305 28.535,90.305 U6.4@28.542,90.312
  Bottom Layer w0.127: v1(13.335,93.098) 13.335,94.001 12.564,94.771 12.564,95.468 13.215,96.119 17.651,96.119 23.346,90.424 v1(27.559,90.424)
2350_SDA: R50.2 U5.9 U6.6 U8.9 | length 23.5
  Top Layer w0.127: v1(13.933,93.098) 13.933,93.186 14.1,93.352 U8.9@14.1,94.179 ; v1(27.559,89.154) 28.784,89.154 29.031,89.401 29.131,89.401 29.242,89.512 U6.6@29.242,89.612
  Bottom Layer w0.127: v1(13.933,93.098) 13.933,93.761 12.818,94.877 12.818,95.306 13.378,95.865 17.546,95.865 24.257,89.154 v1(27.559,89.154)
2350_SWCLK: J2.4 U8.24
2350_SWDIO: J2.2 U8.25
7002_IOVDD_E\N\: M1.12 R47.1 | length 2.8
  Top Layer w0.127: R47.1@53.7,86 53.7,86.974 v1(53.721,86.995) ; v1(60.073,103.554) 60.16,103.554 60.288,103.682 60.932,103.682 M1.12@61.15,103.899 M1.12@60.592,103.899
+1.1V: C75.2 C77.2 C79.2 C81.2 C84.2 L9.2 U8.6 U8.23 U8.39 U8.50 | length 28.2
  Top Layer w0.24: U8.23@10.975,90.654 12.45,90.654 12.553,90.551 ; C79.2@15.24,85.49 15.19,85.49 14.9,85.78 U8.39@14.9,87.129 14.9,88.621 14.986,88.707 ; C75.2@15.367,95.866 15.303,95.802 15.303,94.182 U8.6@15.3,94.179 15.3,92.897 15.004,92.601 12.698,92.601 12.553,92.456 12.553,90.551 ; 19,89.454 U8.50@18.025,89.454 16.747,89.454 16.447,89.154 16.447,88.852 16.302,88.707 14.986,88.707 ; 12.553,90.551 12.553,88.852 12.698,88.707 14.986,88.707
  Top Layer w0.32: 19,89.454 19.583,90.037 23.483,90.037 23.788,89.731 23.788,88.851 L9.2@24.185,88.454
+5V: C41.2 C44.2 C65.2 C66.2 C67.2 J7.1 M2.2 U4.5 U4.8 | length 74.6
  Top Layer w0.203: C66.2@9.301,55.542 9.301,55.399 10.053,54.646 10.053,54.289 v1(10.101,54.242) 9.774,53.915 9.364,53.915 U4.8@9.341,53.892 ; U4.5@9.341,52.392 U4.5@9.341,52.392 10.118,52.393 v1(10.119,52.394)
  Top Layer w0.5: J7.1@7.28,80.62 7.33,80.67 9.27,80.67 C44.2@9.4,80.8 9.5,80.7 v1(10.3,80.7) ; C66.2@9.301,55.542 9.292,55.55 9.292,57.633 C65.2@9.284,57.642 9.292,57.65 9.292,59.725 C67.2@9.301,59.733 C67.2@9.301,59.863 ; v1(18.2,80.7) 30.3,80.7 45.5,65.5 45.5,55.84 M2.2@47.3,54.04 ; M2.2@47.74,54.04 54.615,54.04 54.975,54.4 C41.2@55,54.4 C41.2@55.2,54.6
  Bottom Layer w0.203: v1@9.901,54.242 v1@10.001,54.142 ; v1@9.919,52.394 v1@10.019,52.494 ; v1(10.101,54.242) 10.501,53.842 10.501,52.776 v1(10.119,52.394)
  Bottom Layer w0.5: v1(10.3,80.7) v1(18.2,80.7)
\LCD_RESET: J6.32 U8.29 | length 105.4
  Top Layer w0.127: U8.29@10.975,88.254 8.349,88.254 8.128,88.033 8.128,85.582 11.773,81.937 11.773,43.479 11.049,42.754 11.049,39.862 12.027,38.884 12.027,33.383 11.841,33.196 v1(11.841,33.147) ; v1(36.516,14.571) 38.25,12.837 J6.32@38.25,9.8
  Bottom Layer w0.127: v1(11.841,33.147) 12.718,33.147 16.383,29.482 16.383,16.869 18.393,14.859 36.216,14.859 36.504,14.571 v1(36.516,14.571)
ANTWIFI: A1.4 R22.2 | length 5.9
  Top Layer w0.119: R22.2@57.9,70.7 A1.4@63.8,70.7
BACKLIGHT_ANODE: C27.2 C28.2 J6.39 R33.1 R34.1 | length 5.3
  Top Layer w0.203: R34.1@40.8,6.1 41.7,6.1 41.834,6.234 41.834,6.323 42.502,6.991 42.502,7.102 C28.2@42.6,7.2 42.6,8.25 41.798,9.052 41.798,9.752 J6.39@41.75,9.8
BACKLIGHT_CATHODE: J6.40 Q7.3 | length 7.6
  Top Layer w0.3: J6.40@42.25,9.8 42.25,9.3 42.3,9.3 43.227,8.373 43.227,3.606 43.048,3.427 42.999,3.427 42.823,3.427 42.635,3.239 Q7.3@42.41,3.239
BARO_INT/RDY: M1.C1 U7.7 | length 0.9
  Top Layer w0.127: v1(54.2,106.9) 54.25,106.9 54.85,106.3 M1.C1@54.9,106.3
BATT_NTC: J3.2 R20.1 | length 24.5
  Top Layer w0.127: J3.2@56.3,22.2 57.595,22.2 58.4,21.395 58.4,18.8 55.7,16.1 55.7,12.4 55.25,11.95 54.65,11.95 54.3,11.6 54.3,10.9 55,10.2 59.7,10.2 61,8.9 R20.1@61,8.386
  Top Layer w0.152: v1(60.3,8.4) 60.307,8.393 60.993,8.393 R20.1@61,8.386
  Bottom Layer w0.152: 59.5,8.4 v1(60.3,8.4)
BATT_SENSE: M1.5 Q2.2 R24.2 U8.43
BOOTROM_C\S\: R55.2 R56.1 U8.60 U10.1 | length 7.4
  Top Layer w0.127: U8.60@18.025,93.454 18.882,93.454 19.295,93.867 U10.1@19.295,96.654 19.295,96.952 19.137,97.11 18.714,97.11 18.034,97.79 R55.2@18.034,99.068
  other v1: 19.304,95.504
BOOTROM_D0: U8.57 U10.5 | length 21
  Top Layer w0.127: U8.57@18.025,92.254 18.8,92.254 19.891,93.345 22.691,93.345 26.7,97.354 26.7,102.354 25.208,103.846 23.858,103.846 23.644,103.632 v1(23.622,103.632) 23.11,103.12 23.11,102.459 U10.5@23.105,102.454
BOOTROM_D1: U8.59 U10.2 | length 5.6
  Top Layer w0.127: U8.59@18.025,93.054 18.882,93.054 19.681,93.853 20.32,93.853 20.626,94.159 20.626,94.921 20.574,94.972 v1(20.574,95.504) ; v1@20.565,95.504 U10.2@20.565,96.654
BOOTROM_D2: U8.58 U10.3 | length 6.7
  Top Layer w0.127: U8.58@18.025,92.654 18.841,92.654 19.786,93.599 20.828,93.599 21.59,94.361 v1(21.59,95.504) ; v1@21.62,95.474 21.835,95.689 U10.3@21.835,96.654
BOOTROM_D3: U8.55 U10.7 | length 25.4
  Top Layer w0.127: U8.55@18.025,91.454 18.718,91.454 20.101,92.837 22.901,92.837 27.208,97.144 27.208,102.564 25.418,104.354 22.058,104.354 v1(21.336,103.632) 21.336,103.577 20.565,102.806 U10.7@20.565,102.454
BOOTROM_S\C\L\K\: U8.56 U10.6 | length 23.1
  Top Layer w0.127: U8.56@18.025,91.854 18.759,91.854 19.996,93.091 22.796,93.091 26.954,97.249 26.954,102.459 25.313,104.1 23.068,104.1 22.606,103.638 22.606,103.577 21.9,102.871 21.9,102.519 U10.6@21.835,102.454
  other v1: 22.606,103.632
BUCK_ENABLE: M1.6 R40.1 R41.2 U9.1
CO2_nRDY: M1.A2 M2.7 | length 0.9
  Top Layer w0.127: v1(51.2,105.7) 51.25,105.7 51.85,105.1 M1.A2@51.9,105.1
COEX_GNT: M1.C3 U1.43 | length 36.5
  Top Layer w0.127: U1.43@42.5,84.8 42.5,83.955 43.007,83.448 v1(43.007,81.855) ; v1(54.2,104.5) 54.25,104.5 54.85,103.9 M1.C3@54.9,103.9
  Bottom Layer w0.127: v1(43.007,81.855) 43.056,81.855 43.243,82.042 50.441,82.042 52.083,83.684 52.083,89.903 51.054,90.932 51.054,94.65 53.251,96.847 53.251,101.88 53.505,102.134 53.505,103.805 v1(54.2,104.5)
COEX_REQ: M1.D3 U1.42 | length 38.8
  Top Layer w0.127: U1.42@42.1,84.8 42.1,83.996 42.418,83.678 v1(42.418,81.855) ; v1(55.7,104.5) 55.75,104.5 56.35,103.9 M1.D3@56.4,103.9
  Bottom Layer w0.127: v1(42.418,81.855) 42.418,81.821 42.837,81.402 43.302,81.402 43.688,81.788 50.546,81.788 52.337,83.579 52.337,90.009 51.308,91.037 51.308,94.544 53.505,96.742 53.505,101.764 53.759,102.018 53.759,103.483 54.237,103.96 54.284,103.96 54.824,104.5 v1(55.7,104.5)
COEX_STATUS: M1.13 U1.41 | length 43.5
  Top Layer w0.127: U1.41@41.7,84.8 41.7,84.036 41.909,83.828 41.909,82.091 41.903,82.085 41.903,81.917 v1(41.841,81.855) ; v1(60.073,104.754) 60.135,104.816 60.966,104.816 M1.13@61.15,104.999 M1.13@60.725,104.999
  Bottom Layer w0.127: v1(41.841,81.855) 41.841,81.768 42.702,80.906 44.125,80.906 44.498,81.28 50.756,81.28 52.845,83.368 52.845,90.219 51.816,91.248 51.816,94.334 57.987,100.505 57.987,104.41 58.517,104.941 59.158,104.941 59.345,104.754 v1(60.073,104.754)
DISPLAY_DI: J5.14 J6.23 M1.E3 U8.19 | length 115.2
  Top Layer w0.127: v1(10.825,81.544) 10.825,81.456 11.011,81.269 11.011,43.795 10.287,43.07 10.287,39.547 11.265,38.568 11.265,36.088 11.079,35.901 v1(11.079,35.814) ; U8.19@10.975,92.254 11.672,92.254 12.056,91.87 v1(12.056,91.821) ; J6.23@33.75,9.8 33.766,9.816 33.766,15.792 v1(33.782,15.808) ; v1(57.2,104.5) 57.25,104.5 57.85,103.9 M1.E3@57.9,103.9
  Bottom Layer w0.127: v1(10.825,81.544) 10.773,81.595 10.773,82.136 9.017,83.892 9.017,91.843 9.63,92.456 11.333,92.456 11.968,91.821 v1(12.056,91.821) ; v1(11.079,35.814) 11.129,35.814 14.144,32.799 17.145,29.798 17.145,17.185 17.609,16.72 18.709,15.621 33.546,15.621 33.733,15.808 v1(33.782,15.808) ; 56.419,104.998 56.296,104.874 56.296,102.381 57.017,101.659 57.383,101.659 57.641,101.917 57.641,103.483 57.2,103.924 v1(57.2,104.5)
DISPLAY_RS/CD: J5.11 J6.29 U8.27 | length 106.7
  Top Layer w0.127: U8.27@10.975,89.054 8.431,89.054 7.62,88.243 7.62,85.372 11.265,81.726 11.265,43.689 10.541,42.965 10.541,39.652 11.519,38.673 11.519,35.161 11.333,34.974 v1(11.333,34.925) ; J6.29@36.75,9.8 36.756,9.806 36.756,11.551 v1(36.763,11.557)
  Bottom Layer w0.127: v1(11.333,34.925) 11.336,34.921 11.662,34.921 12.294,34.29 16.891,29.693 16.891,17.08 18.604,15.367 36.703,15.367 37.846,14.224 37.846,12.573 36.83,11.557 v1(36.763,11.557)
DISPLAY_SCK: J5.13 J6.30 U8.18 | length 111
  Top Layer w0.127: v1(9.846,41.783) 9.841,41.789 9.841,42.983 10.757,43.9 10.757,80.974 10.332,81.399 v1(10.332,81.953) ; U8.18@10.975,92.654 11.003,92.682 12.037,92.682 v1(12.065,92.71) ; J6.30@37.25,9.8 37.28,9.83 37.28,10.765 v1(37.309,10.795)
  Bottom Layer w0.127: v1(9.846,41.783) 11.519,40.11 11.519,35.782 17.399,29.903 17.399,17.29 17.715,16.974 18.814,15.875 33.147,15.875 33.588,16.316 34.738,16.316 35.433,15.621 36.808,15.621 38.1,14.329 38.1,11.43 37.527,10.857 37.371,10.857 v1(37.309,10.795) ; v1(10.332,81.953) 8.763,83.522 8.763,91.948 9.525,92.71 v1(12.065,92.71)
EPD_B\S\Y\: J5.9 M1.E2 U8.15 | length 0.9
  Top Layer w0.127: v1(57.2,105.7) 57.25,105.7 57.85,105.1 M1.E2@57.9,105.1
EPD_C\S\: J5.12 M1.D2 U8.17 | length 0.9
  Top Layer w0.127: v1(55.7,105.7) 55.75,105.7 56.35,105.1 M1.D2@56.4,105.1
EPD_R\S\T\: J5.10 M1.E1 U8.16 | length 0.9
  Top Layer w0.127: v1(57.2,106.9) 57.25,106.9 57.85,106.3 M1.E1@57.9,106.3